# Altium PCB Печатная плата 468353_001.PcbDoc
Units mm, origin at the board's own origin, x right, y up, seen from the top; angles counter-clockwise.
Board outline 60.01 x 45.01 mm, 2 copper layers (Top Layer, Bottom Layer), stack 1.071 mm thick; 42 components, 30 nets, 139 pads, 4 vias.
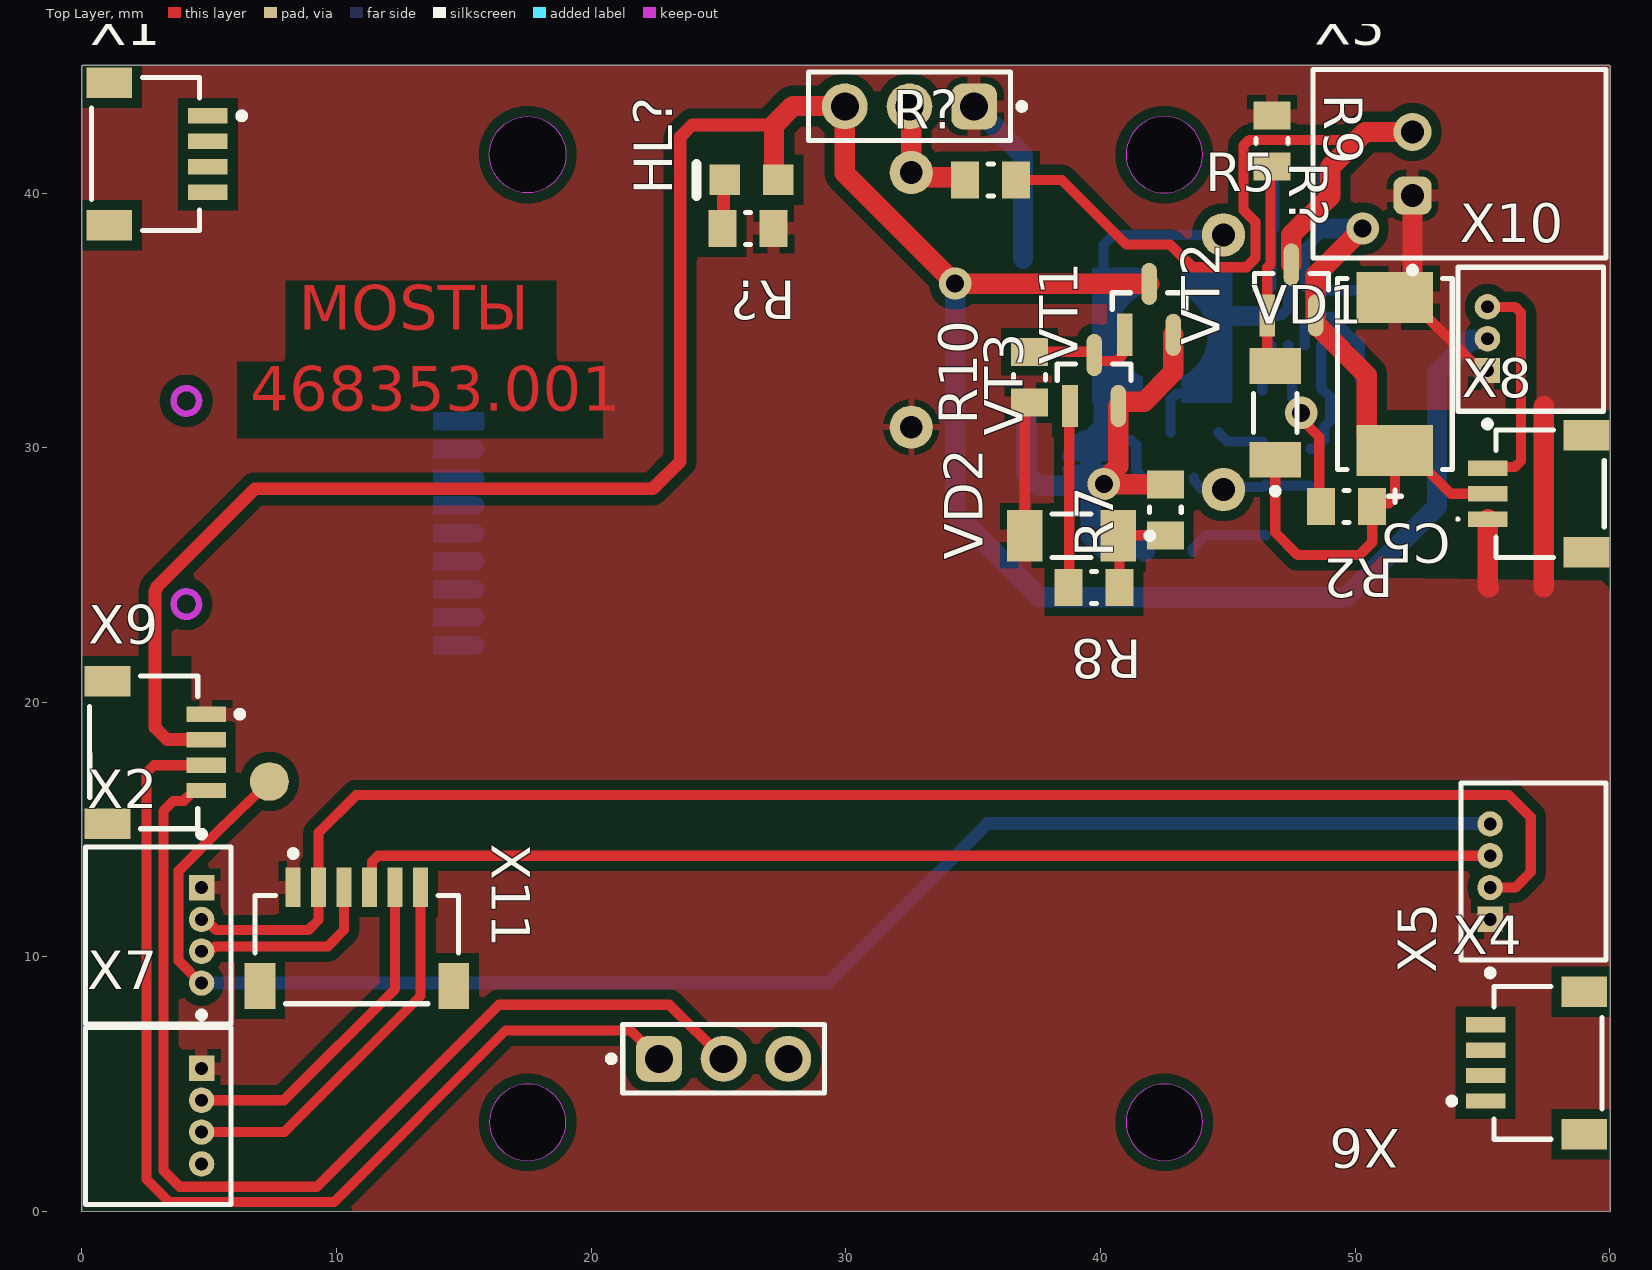
[diagram p0: Top Layer view]
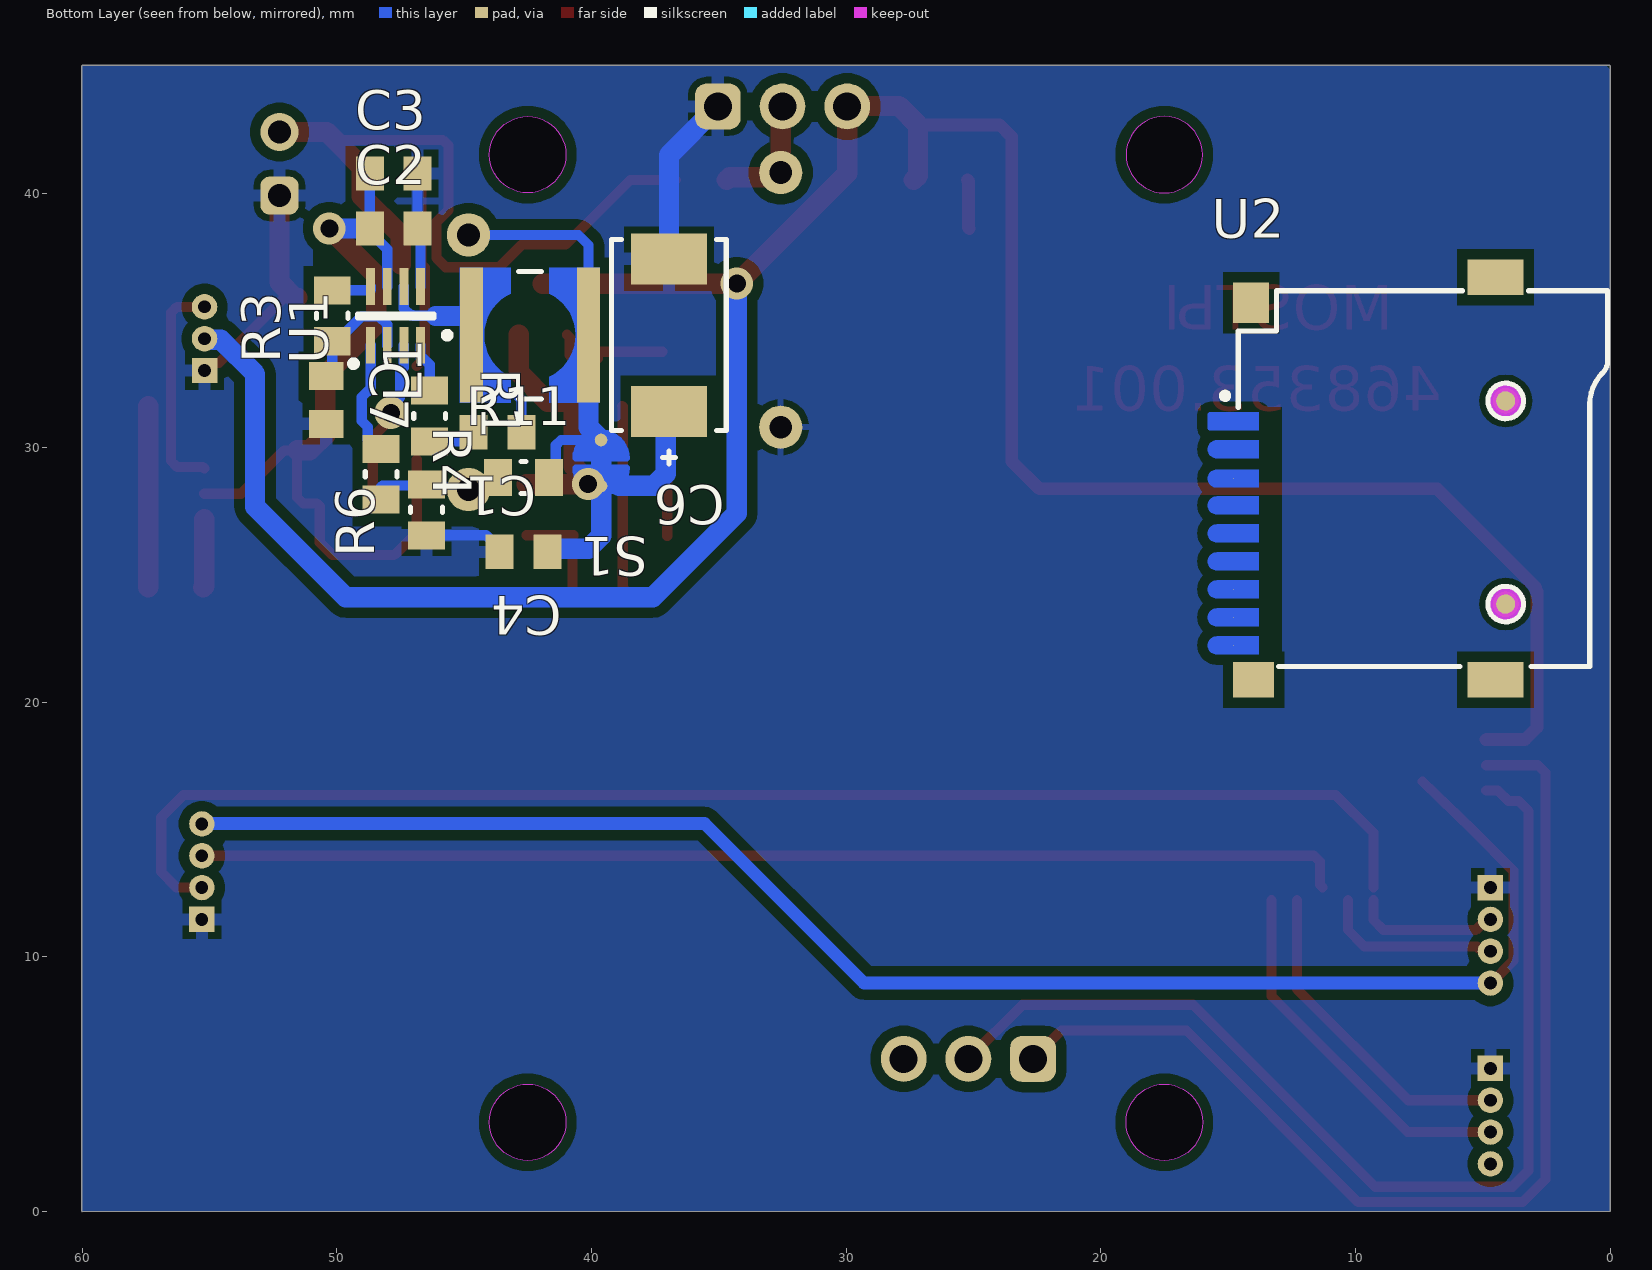
[diagram p1: Bottom Layer view, seen from below]

## Layer stack, top to bottom
Top Layer: signal copper 0.0356
Dielectric 1: dielectric 1, FR-4, Dk 4.8
Bottom Layer: signal copper 0.0356

## Board outline
0,0.006 0,45.006 0.006,45.013 60.006,45.013 60.013,45.006 60.013,0.006 60.006,0
cut-out: 17.506,40.006 cw(c17.506,41.506) 16.006,41.506 cw(c17.506,41.506) 17.506,43.006 cw(c17.506,41.506) 19.006,41.506 cw(c17.506,41.506)
cut-out: 41.006,41.506 ccw(c42.506,41.506) 42.506,40.006 ccw(c42.506,41.506) 44.006,41.506 ccw(c42.506,41.506) 42.506,43.006 ccw(c42.506,41.506)
cut-out: 41.006,3.506 ccw(c42.506,3.506) 42.506,2.006 ccw(c42.506,3.506) 44.006,3.506 ccw(c42.506,3.506) 42.506,5.006 ccw(c42.506,3.506)
cut-out: 16.006,3.506 ccw(c17.506,3.506) 17.506,2.006 ccw(c17.506,3.506) 19.006,3.506 ccw(c17.506,3.506) 17.506,5.006 ccw(c17.506,3.506)

## Design rules (kind name [scope] priority, off if disabled: settings)
Clearance [All] p1: gap=0.2 ignorepadtopadclearanceinfootprint=FALSE except(0.4: Arc-Fill Arc-Poly Arc-Region Track-Fill Track-Poly Track-Region SMDPad-Fill SMDPad-Poly SMDPad-Region THPad-Fill THPad-Poly THPad-Region Via-Fill Via-Poly Via-Region Fill-Fill Fill-Poly Fill-Region Poly-Poly Poly-Region Region-Region; 0.5: Fill-Text Poly-Text Region-Text)
PolygonConnect [All] p1: connectstyle=Relief reliefconductorwidth=0.5 reliefentries=4 polygonreliefangle="90 Angle" airgapwidth=0.254
RoutingVias [All] p1: holewidth=0.711 width=1.27 viastyle="Through Hole" minholewidth=0.711 minwidth=1.27 maxholewidth=0.711 maxwidth=1.27
SolderMaskExpansion [All] p1: expansion=0.102 istentingtop=FALSE
SupplyNets "Schematic Supply Nets_4" [InNet('GND')] p1: voltage=0.000
SupplyNets "Schematic Supply Nets_3" [InNet('VCC')] p2: voltage=0.000
SupplyNets "Schematic Supply Nets_2" [InNet('VIN')] p3: voltage=0.000
SupplyNets "Schematic Supply Nets_1" [InNet('+5 raw')] p4: voltage=0.000
SupplyNets "Schematic Supply Nets" [InNet('+5')] p5: voltage=0.000
Width [All] p1: maxlimit=1.5 minlimit=0.2 preferedwidth=0.4 minimp=50.000000 maximp=50.000000 favimp=50.000000
30 further rules are at their usual default settings.

## Classes and differential pairs
component class Reversevoltage: R9 VD1 VT2
component class Overvoltage: R7 R8 R10 VD2 VT1 VT3
component class DCDC: C1 C2 C3 C4 C5 C6 C7 L1 R1 R2 R3 R4 R5 R6 R11 U1

## Components (designator, comment, footprint, x,y, rotation, side; value= is the part's Value field where it differs from the comment)
C1 "10nF" CAPC2012X10N 43.688,30.607 r0 bottom
C2 "100nF" CAPC2012X10N 47.768,38.608 r180 bottom
C3 "100nF" CAPC2012X10N 47.768,40.767 r180 bottom
C4 "100nF" CAPC2012X10N 42.672,25.908 r0 bottom
C5 "47uF" FP-TPSD-MFG 51.562,32.893 r270 top
C6 "47uF" FP-TPSD-MFG 36.957,34.417 r270 bottom
C7 "100nF" CAPC2012X10N 50.419,31.877 r270 bottom
HL? "?" "LED 0805" 26.289,40.513 r180 top
L1 "10uH" WE-TPC_4828 42.418,34.417 r90 bottom
R1 "20k" RES0805 46.355,31.242 r270 bottom
R2 "500k" RES0805 49.657,27.686 r180 top
R3 "100k" RES0805 50.181,35.179 r90 bottom
R4 "51k" RES0805 48.26,28.956 r270 bottom
R5 "41.2k" МЛТ-0.125 44.831,28.354 r90 top
R6 "7.5k" RES0805 46.482,27.559 r90 bottom
R7 "1k" RES0805 42.545,27.559 r90 top
R8 "1k" RES0805 39.751,24.511 r180 top
R9 "100k" RES0805 46.736,42.037 r270 top
R10 "1k" RES0805 37.211,32.766 r90 top
R11 "41.2k" RES0805 42.672,28.829 r180 bottom
R? "500" RES0805 26.162,38.608 r180 top
R? "?" МЛТ-0.125 32.569,30.804 r90 top
R? "?k" RES0805 35.687,40.513 r0 top
S1 "" "Solder bridge middle" 39.624,29.972 r0 bottom
U1 "MP9943GQ-Z" "MP9943 QFN8" 49.346,33.422 r90 bottom
U2 "SD Card holder" "SD Card holder" 4.102,28.787 r90 bottom
VD1 "BZV55C9V1" FP-DO-213AA-MFG 46.863,31.369 r90 top
VD2 "BZV55C9V1" FP-DO-213AA-MFG 38.862,26.543 r180 top
VT1 "AO3401A" SOT-23 41.91,35.433 r90 top
VT2 "AO3401A" SOT-23 47.498,36.195 r90 top
VT3 "КТ228А9" SOT-23 39.751,32.639 r90 top
X1 "JST-4P" JST-SH04B 3.175,41.529 r270 top
X2 "Левая консоль" FP-53048-0410-MFG 3,12.1 r270 top
X3 "JST-2P" FP-S2B-XH-A-1_LF_SN-MFG 54.102,41.148 r270 top
X4 "JST-4P" JST-SH04B 56.896,5.842 r90 top
X5 "Правая консоль" FP-53048-0410-MFG 57,12.1 r90 top
X6 "466259.004" 466259.004 20.5,46 r270 top locked
X7 "Хвостовое оперение" FP-53048-0410-MFG 3,5 r270 top
X8 "VTX" JST-SM03B-SRSS-TB_V 57.658,28.194 r90 top
X9 "JST-4P" JST-SH04B 3.102,18.034 r270 top
X10 "Камера" FP-53048-0310-MFG 56.896,33.655 r90 top
X11 "JST-6P" JST-SM06B-SRSS-TB_V 10.795,10.287 r0 top

## Footprints (in the part's own frame and the unit in brackets; to place one, negate y for a bottom-side part, rotate by r counter-clockwise, add the part's x,y. Pads: shape width x height; smd on the part's side, far side on the other; paste and mask are expansions set on the pad)
466259.004 [mm] "Полётный контроллер 466259.004"
  rrect50% 1.8x1.8 hole 1.1: 1(2.6,14.54) 4(40,2.16)
  round 1.8 hole 1.1: 2(2.6,12) 3(2.6,9.46) 5(40,4.7) 6(40,7.24)
  silkscreen extent 1.25,0.17 41.34,16.53, body extent 0,0 42,31.51, height 11.25
CAPC2012X10N [mm] "Chip Capacitor, 2-Leads, Body 2,05x1,20mm, IPC Medium Density"
  rect 1.1x1.35 smd: 1(-0.94,0) 2(0.94,0)
  body extent -1.1,-0.65 1.1,0.65, height 1
FP-53048-0310-MFG [mm]
  rect 1x1 hole 0.5 paste-2539.97 mask+0: 1(-0.625,1.7)
  round 1 hole 0.5 paste-2539.97 mask+0: 2(0.625,1.7) 3(1.875,1.7)
  silkscreen extent -2.85,-2.85 3.43,2.85, body extent -2.13,-2.75 3.37,2.75, height 3.5
FP-53048-0410-MFG [mm]
  rect 1x1 hole 0.5 paste-2539.97 mask+0: 1(-0.625,1.7)
  round 1 hole 0.5 paste-2539.97 mask+0: 2(0.625,1.7) 3(1.875,1.7) 4(3.125,1.7)
  silkscreen extent -2.85,-2.85 4.72,2.85, body extent -2.13,-2.76 4.62,2.74, height 3.2
FP-DO-213AA-MFG [mm]
  rect 1.4x2.03 smd paste+0 mask+0: 1(-1.84,0) 2(1.84,0)
  silkscreen extent -3.2,-0.85 0.76,0.85, body extent -2.64,-1.11 2.64,1.11, height 0.25
FP-S2B-XH-A-1_LF_SN-MFG [mm]
  rrect50% 1.5x1.5 hole 0.9 paste-2539.97 mask+0: 1(1.25,-1.85)
  round 1.5 hole 0.9 paste-2539.97 mask+0: 2(-1.25,-1.85)
  silkscreen extent -3.7,-5.75 4.3,5.75, body extent -3.8,-5.85 3.8,5.85, height 0.25
FP-TPSD-MFG [mm]
  rect 2x3 smd paste+0 mask+0: 1(-3,0) 2(3,0)
  silkscreen extent -3.75,-2.25 5.05,2.25, body extent -4.1,-2.35 4.1,2.35, height 0.25
JST-SH04B [mm]
  rect 0.6x1.55 smd paste+0 mask+0: 1(-1.5,1.775) 2(-0.5,1.775) 3(0.5,1.775) 4(1.5,1.775)
  rect 1.2x1.8 smd: MP1(-2.8,-2.1) MP2(2.794,-2.1)
  silkscreen extent -3,-2.8 3,3.22, body extent -3,-2.98 3,1.97, height 2.96
JST-SM03B-SRSS-TB_V [mm] "SMD, 3-Leads, Body 5x4.25mm, Pitch 1mm"
  rect 0.6x1.55 smd: 1(-1,2.45) 2(0,2.45) 3(1,2.45)
  rect 1.2x1.8 smd: MP1(-2.3,-1.425) MP2(2.3,-1.425)
  silkscreen extent -2.5,-2.12 2.5,3.67, body extent -2.5,-2.12 2.5,2.83, height 3.25
JST-SM06B-SRSS-TB_V [mm] "SMD, 6-Leads, Body 8x4.25mm, Pitch 1mm"
  rect 0.6x1.55 smd: 1(-2.5,2.45) 2(-1.5,2.45) 3(-0.5,2.45) 4(0.5,2.45) 5(1.5,2.45) 6(2.5,2.45)
  rect 1.2x1.8 smd: MP1(-3.8,-1.425) MP2(3.8,-1.425)
  silkscreen extent -4,-2.12 4,3.9, body extent -4,-2.12 4,2.83, height 2.96
"LED 0805" [mm] "SMD, 2-Leads, Body 2x1.25mm, Height 0.8mm"
  rect 1.2x1.2 smd: 1(-1.05,0) 2(1.05,0)
  silkscreen extent 2.15,-0.63 2.15,0.63, body extent -1,-0.63 1,0.63, height 0.8
"MP9943 QFN8" [mm]
  rect 1.45x0.35 smd: 1(0.6,-0.675) 2(0.6,-1.325) 3(0.6,-1.975) 4(0.6,-2.625) 5(2.9,-2.625) 6(2.9,-1.975) 7(2.9,-1.325) 8(2.9,-0.675)
  silkscreen extent -0.25,-3.15 1.83,0.13, body extent 0.2,-3.15 3.3,-0.15, height 1
RES0805 [mm] "Chip Resistor, 2-Leads, Body 2.1x1.35mm, IPC Low Density"
  rect 1.1x1.45 smd: 1(-1,0) 2(1,0)
  silkscreen extent -0.1,-0.63 0.1,0.63, body extent -1.05,-0.68 1.05,0.67, height 0.6
"SD Card holder" [mm] "Micro SD Card, TF Card, Memory Card Connector, 9-Leads, Body 16.44x15.6 mm, 1.4mm Profile SMT, Push-Push (MEM2055/MEM2075)"
  round 1 smd: 0(-4.93,0) 0(3.05,0)
  round 0.025 smd: 1(2.25,10.7) 2(1.15,10.7) 3(0,10.7) 4(-1.05,10.7) 5(-2.15,10.7) 6(-3.25,10.7) 7(-4.35,10.7) 8(-5.45,10.7) 9(-6.55,10.7)
  rect 1.4x2.2 smd: SH(-7.9,0.4) SH(7.9,0.4)
  rect 1.4x1.6 smd: SH(-7.9,9.9)
  rect 1.6x1.4 smd: SH(6.9,10)
  Top Layer circle w0.254: c3.05,0 r0.5
  Top Layer circle w0.254: c-4.93,0 r0.5
  Top Layer pour cut-out: -7.15,9.7 2.794,9.7 2.794,8.8 -7.15,8.8
  Top Layer region: 2.6,9.7 1.9,9.7 1.9,11.613 1.907,11.646 1.926,11.674 1.954,11.693 1.987,11.7 1.987,11.7 2.513,11.7 2.546,11.693 2.574,11.674 2.593,11.646 2.6,11.613 2.6,11.613
  Top Layer region: 1.5,9.7 0.8,9.7 0.8,11.35 0.827,11.484 0.903,11.597 1.016,11.673 1.15,11.7 1.15,11.7 1.284,11.673 1.397,11.597 1.473,11.484 1.5,11.35 1.5,11.35
  Top Layer region: 0.35,9.7 -0.35,9.7 -0.35,11.35 -0.323,11.484 -0.247,11.597 -0.134,11.673 0,11.7 0,11.7 0.134,11.673 0.247,11.597 0.323,11.484 0.35,11.35 0.35,11.35
  Top Layer region: -0.7,9.7 -1.4,9.7 -1.4,11.35 -1.373,11.484 -1.298,11.597 -1.184,11.673 -1.05,11.7 -1.05,11.7 -0.916,11.673 -0.803,11.597 -0.727,11.484 -0.7,11.35 -0.7,11.35
  Top Layer region: -1.8,9.7 -2.5,9.7 -2.5,11.35 -2.473,11.484 -2.398,11.597 -2.284,11.673 -2.15,11.7 -2.15,11.7 -2.016,11.673 -1.903,11.597 -1.827,11.484 -1.8,11.35 -1.8,11.35
  Top Layer region: -2.9,9.7 -3.6,9.7 -3.6,11.35 -3.573,11.484 -3.498,11.597 -3.384,11.673 -3.25,11.7 -3.25,11.7 -3.116,11.673 -3.003,11.597 -2.927,11.484 -2.9,11.35 -2.9,11.35
  Top Layer region: -4,9.7 -4.7,9.7 -4.7,11.35 -4.673,11.484 -4.597,11.597 -4.484,11.673 -4.35,11.7 -4.35,11.7 -4.216,11.673 -4.103,11.597 -4.027,11.484 -4,11.35 -4,11.35
  Top Layer region: -5.1,9.7 -5.8,9.7 -5.8,11.35 -5.773,11.484 -5.697,11.597 -5.584,11.673 -5.45,11.7 -5.45,11.7 -5.316,11.673 -5.203,11.597 -5.127,11.484 -5.1,11.35 -5.1,11.35
  Top Layer region: -6.2,9.7 -6.9,9.7 -6.9,11.35 -6.873,11.484 -6.797,11.597 -6.684,11.673 -6.55,11.7 -6.55,11.7 -6.416,11.673 -6.303,11.597 -6.227,11.484 -6.2,11.35 -6.2,11.35
  Keep-Out Layer circle w0.254: c3.05,0 r0.5
  Keep-Out Layer circle w0.254: c-4.93,0 r0.5
  silkscreen extent -7.37,-4 7.37,11.14, body extent -8,-6.26 8.05,11.27, height 1.9
"Solder bridge middle" [mm]
  round 0.5 smd: 1(0,-0.33) 2(0,1.473)
  Top Layer region: -1,0.381 -0.901,-0.053 -0.623,-0.401 -0.223,-0.594 0.223,-0.594 0.623,-0.401 0.901,-0.053 1,0.381 1,0.381
  Top Layer region: -1,0.762 -0.901,1.196 -0.623,1.544 -0.223,1.737 0.223,1.737 0.623,1.544 0.901,1.196 1,0.762 1,0.762
  Top Layer lines w0.254: -1,0.762 cw(c0,0.762) -0.703,1.473 cw(c0,0.762) 0,1.762 cw(c0,0.762) 1,0.762 0.508,0.762 -1,0.762 ; -1,0.381 ccw(c0,0.381) 1,0.381 -1,0.381
  Top Layer lines w0.8: 0,0.66 0,0.559
SOT-23 [mm]
  rect 1.657x0.612 smd paste+0 mask+0: 1(-1.001,0.95)
  rrect100% 1.657x0.612 smd paste+0 mask+0: 2(-1.001,-0.95) 3(1.001,0)
  silkscreen extent 0,-1.45 0.65,1.45, body extent -2.33,-1.95 2.33,1.95, height 0.25
WE-TPC_4828 [mm] "Power Inductor, SMD, 2-Leads, body 4.8x4.8mm"
  rect 5.3x0.9 smd paste-403.566 mask-403.566: 1(0,2.3) 2(0,-2.3)
  Top Layer region: -2.65,0.75 -1.636,0.75 -1.138,1.394 -0.407,1.753 0.407,1.753 1.138,1.394 1.636,0.75 1.636,0.75 2.65,0.75 2.65,2.75 -2.65,2.75
  Top Layer region: 2.65,-0.75 1.636,-0.75 1.138,-1.394 0.407,-1.753 -0.407,-1.753 -1.138,-1.394 -1.636,-0.75 -1.636,-0.75 -2.65,-0.75 -2.65,-2.75 2.65,-2.75
  silkscreen extent -2.5,-0.45 2.5,3.38, body extent -2.4,-2.4 2.4,2.4, height 2.8
МЛТ-0.125 [mm]
  round 1.7 hole 0.9: 1(0,0) 2(10,0)
  body extent -0.31,-1.02 10.29,0.97, height 2.5

## Part data
C1 C2 C3 C4 C7: library part "Конденсатор керамика", ClassName=DCDC
C5 C6: library part "Конденсатор танталовый", "Capacitor Polarised", Arrow Part Number=293D475X9010A2TE3, Manufacturer_Name=Vishay, Mouser Part Number=74-293D475X9010A2TE3, Arrow Price/Stock=https://www.arrow.com/en/products/293d475x9010a2te3/vishay, ClassName=DCDC, Datasheet Link=http://www.vishay.com/docs/40002/293d.pdf, Height=1.8mm, Manufacturer_Part_Number=293D475X9010A2TE3, Mouser Price/Stock=https://www.mouser.co.uk/ProductDetail/Vishay-Sprague/293D475X9010A2TE3?qs=zj6zwI%252Bv92RDYyeabgx%252B6w%3D%3D
HL?: library part Светодиод
L1: library part Дроссель, Ambient Temperature Range High=95°C, Ambient Temperature Range Low=-40°C, Case Code (Imperial)=1919, Case Code (Metric)=4848, Current Rating=420mA, DC Resistance (DCR)=770mΩ, Inductance=150µH, Inductance Tolerance=30%, Max Operating Temperature=125°C, Saturation Current=220mA, Self Resonant Frequency=7MHz, Test Frequency=100kHz, Case/Package=1919, ClassName=DCDC, Composition=Wirewound, Core Material=Ferrite, Height=2.8mm, Height - Seated (Max)=2.9972mm, Length=4.8mm, Max DC Current=420mA, Min Operating Temperature=-40°C, Mount="Surface Mount", NexarPartId=22866852, Number of Pins=2, Packaging="Tape & Reel (TR)", REACH SVHC=Unknown, RMS Current (Irms)=420mA, RoHS=Compliant, Shielding=Shielded, Termination=SMD/SMT, Tolerance=30%, Width=4.8mm
R1 R2 R3 R4 R6 R7 R8 R9 R10 R11 R? R?: library part "Резистор SMD", "SMD resistors with differents footprints"
  R1 R2 R3 R4 R6 R11: ClassName=DCDC
  R7 R8 R10: ClassName=Overvoltage
  R9: ClassName=Reversevoltage
R5 R?: library part МЛТ-0.125
  R5: ClassName=DCDC
S1: library part "Запаиваемая перемычка", "Нормально замкнута"
U1: "High Efficiency 3A Peak, 36V, / Synchronous Step Down Converter / With Power Good", ClassName=DCDC
VD1 VD2: library part Стабилитрон
  VD1: ClassName=Reversevoltage
  VD2: ClassName=Overvoltage
VT1 VT2: library part P-MOS, "P-Channel MOSFET", Continuous Drain Current=4A, Drain-Source On-Volt=30V, Frequency (Max)=NotRequiredMHz, Gate-Source Voltage (Max)=?12V, Manufacturer="Alpha and Omega", Operating Temp Range=-55Cto150C, Operating Temperature Classification=Military, Output Power (Max)=NotRequiredW, Package Description="3-Pin Small Outline Transistor, Body 2.95 x 1.6 mm, Pitch 0.95 mm", Package Reference=SOT-23-3L, Package Type=SOT-23, Power Dissipation=1.4W, Power Gain=NotRequireddB, Channel Mode=Enhancement, Datasheet URL=http://www.aosmd.com/res/data_sheets/AO3401A.pdf, Datasheet Version="Rev. 3, 03/2011", Drain Current (Max)=4A, Drain Efficiency=NotRequired%, Drain-Source On-Res=0.044ohm, Manufacturer URL=http://www.aosmd.com/, Mounting=SurfaceMount, Mounting Technology=SurfaceMount, Noise Figure=NotRequireddB, Number of  Elements=1, Package URL=http://www.aosmd.com/res/packaging_information/SOT-23-3L.pdf, Pin Count=3, Polarity=P, Rad Hardened=No, Type=PowerMOSFET
  VT1: ClassName=Overvoltage
  VT2: ClassName=Reversevoltage
VT3: library part "PNP транзистор", "PNP TRANSISTOR", Case/Package=TO-236-3, Collector Emitter Breakdown Voltage=25V, Collector Emitter Voltage (VCEO)=400mV, Max Collector Current=1.5A, Max Power Dissipation=300mW, Transition Frequency=100MHz, ClassName=Overvoltage, Max Breakdown Voltage=25V, Mount="Surface Mount", Packaging="Tape and Reel", RoHS Compliant=Yes
X1 X3 X4 X9 X11: "JST type connector", Net1=GND
  X3: Net2=VCC
  X9: Net2=+5V, Net3=SDA, Net4=SCL
  X11: Net2=OUT1, Net3=OUT2, Net4=OUT3, Net5=OUT4, Net6=OUT5
X2 X5 X7: library part JST-4P, "JST type connector", Net1=GND
X8 X10: library part JST-3P, "JST type connector", Net1=GND
  X8: Net2=Vcc, Net3="AV OUT"
  X10: Net2=+5V, Net3="AV IN"

## Free pads (board coordinates)
  round 1.524 smd: 3(7.366,16.891)

## Via types
v1: diameter 1.27, hole 0.711, Top Layer to Bottom Layer, 4 vias

## Nets (pads, with @x,y where several pads share a name; then routed paths per layer and width w, separated by ;. In a path a pad name is that pad's centre, name@x,y a point inside that pad or via, vN(x,y) a via of type N, cw(c..) or ccw(c..) an arc to the next point about the centre after c; other vN are vias at no path point)
+5: HL?.1 VT1.3 X6.3 X9.2 X10.2 | length 107.2
  Top Layer w0.5: X9.2 4.869,18.542 3.343,18.542 2.875,19.011 2.875,24.365 2.921,24.412 2.921,24.511 6.794,28.384 22.415,28.384 23.495,29.464 23.495,42.203 23.964,42.672 27.178,42.672
  Top Layer w0.8: HL?.1 27.178,40.674 27.178,42.672 27.923,43.417 29.943,43.417 X6.3 29.96,40.779 34.298,36.441 41.902,36.441 VT1.3
  Bottom Layer w0.8: v1(34.29,36.449) 34.29,27.432 37.592,24.13 49.657,24.13 53.213,27.686 53.213,32.896 54.559,34.242 55.158,34.242 X10.2
"+5 raw": C4.1 C6.2 R7.2 S1.2 VT1.2 VT3.2 | length 18.8
  Top Layer w0.8: R7.2 42.537,28.567 40.14,28.567 v1(40.132,28.575) 40.132,28.702 40.701,29.271 VT3.2 40.795,31.732 40.795,31.809 41.715,31.809 42.86,32.954 VT1.2
  Bottom Layer w0.8: C6.2 37.084,31.29 37.084,28.967 37.553,28.499 38.921,28.499 ; S1.2 39.624,28.21 39.624,26.543 40.132,26.035 41.605,26.035 C4.1
"AV 2": X7.4
GND: C2.2 C3.2 C4.2 C5.1 C6.1 C7.2 R6.1 R9.1 R10.1 R?.1@27.162,38.608 R?.1@32.569,30.804 U1.5 VD2.2 X2.1 X3.1 X5.1 X6.1 X7.1 X8.1 X9.1 X10.1 X11.1 | length 38.3
  Top Layer w0.4: VD2.2 37.022,31.577 R10.1 ; C5.1@52.062,35.893 54.625,33.33 54.896,33.33 X10.1
  Top Layer w0.8: C5.1 51.652,35.893 52.252,36.493 X3.1 ; X8.1 55.208,24.548 55.245,24.511 ; 57.404,24.511 57.404,31.623
  Bottom Layer w0.4: C4.2 43.612,26.033 44.138,26.559 R6.1 ; U1.5 46.721,38.501 C2.2 C3.2
  Bottom Layer w0.8: X6.1 36.957,41.483 C6.1
Motor: X2.2 X5.2 X11.2 | length 60.4
  Top Layer w0.4: X2.2 4.862,11.475 5.283,11.054 8.895,11.054 9.295,11.454 X11.2@9.295,12.229 ; X11.2 9.295,14.883 10.768,16.356 56.034,16.356 56.896,15.494 56.896,13.335 56.286,12.725 X5.2
NeoPix: pad.3 X2.4 X5.4 | length 63
  Top Layer w0.4: X2.4 4.677,8.975 3.8,9.852 3.8,13.391 5.395,14.986 pad.3
  Bottom Layer w0.5: X2.4 29.295,8.975 35.56,15.24 55.285,15.24 X5.4
NetC1_1: C1.1 L1.1 U1.6 | length 9.8
  Bottom Layer w0.4: C1.1 42.748,31.882 42.983,32.116 44.468,32.116 44.718,32.366 L1.1 ; 46.122,35.179 46.99,35.179 47.008,35.197 47.1,35.197 47.371,35.468 U1.6
  Bottom Layer w0.8: L1.1 44.718,35.122 44.768,35.172 46.122,35.172
NetC1_2: C1.2 R1.2 | length 1.9
  Bottom Layer w0.4: C1.2 44.628,30.592 44.978,30.242 R1.2
NetC7_1: C7.1 R3.1 U1.2 | length 5
  Bottom Layer w0.4: U1.2 48.021,34.838 48.33,35.147 49.038,35.147 50.006,34.179 R3.1 50.181,32.706 C7.1@50.165,32.69
NetHL?_2: HL?.2 R?.2@25.162,38.608 | length 1.9
  Top Layer w0.5: R?.2@25.162,38.608 25.201,38.647 25.201,40.475 HL?.2
NetL1_2: L1.2 R5.2 R11.2 S1.1 | length 16
  Bottom Layer w0.4: S1.1 41.199,30.302 41.402,30.099 41.402,29.099 R11.2 ; L1.2 40.118,37.959 40.513,38.354 R5.2
  Bottom Layer w0.8: S1.1 40.118,30.796 L1.2
NetR1_1: R1.1 U1.4 | length 2
  Bottom Layer w0.4: R1.1 46.355,33.263 46.589,33.497 46.696,33.497 46.721,33.522 U1.4
NetR2_2: R2.2 U1.3 | length 6.9
  Top Layer w0.4: v1(47.879,31.369) 47.879,31.134 48.594,30.419 48.594,27.749 R2.2
  Bottom Layer w0.4: U1.3 47.371,33.147 47.515,33.003 47.515,31.969 47.879,31.604 v1(47.879,31.369)
NetR3_2: R3.2 U1.8 | length 1.6
  Bottom Layer w0.4: U1.8 48.671,36.204 48.696,36.179 R3.2
NetR4_1: R4.1 U1.1 | length 4.6
  Bottom Layer w0.4: R4.1 48.435,29.956 48.785,30.306 48.785,30.811 49.022,31.048 49.022,31.989 48.671,32.34 U1.1
NetR4_2: R4.2 R5.1 R6.2 R11.1 | length 5
  Bottom Layer w0.4: R11.1 43.672,28.704 44.022,28.354 R5.1 44.933,28.456 46.379,28.456 R6.2 46.53,28.511 48.212,28.511 R4.2@48.26,28.464
NetR7_1: R7.1 R8.1 VD2.1 | length 3.9
  Top Layer w0.4: R8.1 40.751,26.494 VD2.1 40.718,26.559 R7.1
NetR8_2: R8.2 VT3.1 | length 7.1
  Top Layer w0.4: R8.2 38.776,24.536 38.776,31.613 VT3.1
NetR9_2: R9.2 VD1.2 VT2.1 | length 8
  Top Layer w0.4: R9.2 46.681,40.982 46.681,37.196 46.548,37.063 VT2.1 46.548,33.524 VD1.2
NetR10_2: R10.2 VT1.1 VT3.3 | length 4.8
  Top Layer w0.4: R10.2 39.653,33.766 39.751,33.668 VT3.3 39.751,33.499 39.849,33.401 40.62,33.401 40.854,33.635 40.854,34.326 VT1.1
NetX8_3: X8.3 X10.3 | length 8.7
  Top Layer w0.4: X10.3 56.281,35.53 56.515,35.296 56.515,29.479 56.281,29.245 55.259,29.245 X8.3
SCL: X6.5 X9.4 | length 42.2
  Top Layer w0.4: X9.4 4.402,16.534 3.998,16.13 3.596,16.13 3.2,15.734 3.2,1.626 3.845,0.981 4.321,0.981 4.327,0.975 5.073,0.975 5.079,0.981 9.236,0.981 16.383,8.128 23.072,8.128 X6.5
SDA: X6.4 X9.3 | length 42.2
  Top Layer w0.4: X9.3 4.869,17.526 2.833,17.526 2.54,17.233 2.54,1.27 3.429,0.381 4.073,0.381 4.079,0.375 5.321,0.375 5.327,0.381 9.906,0.381 16.637,7.112 21.548,7.112 X6.4
ServoH: X7.2 X11.5 | length 12.9
  Top Layer w0.4: X7.2 7.931,4.375 12.295,8.739 X11.5@12.295,12.229
ServoL: X2.3 X11.3 | length 7.1
  Top Layer w0.4: X2.3 4.815,10.34 5.16,10.34 5.234,10.414 9.652,10.414 10.295,11.057 X11.3@10.295,12.229
ServoR: X5.3 X11.4 | length 45
  Top Layer w0.4: X11.4 11.395,12.837 11.395,13.741 11.629,13.975 X5.3
ServoV: X7.3 X11.6 | length 14.6
  Top Layer w0.4: X7.3 7.951,3.125 13.295,8.469 X11.6@13.295,12.229
VCC: R?.2@36.687,40.513 VT2.3 X3.2 | length 28.4
  Top Layer w0.4: R?.2@36.687,40.513 38.481,40.513 41.021,37.973 42.735,37.973 43.624,37.084 45.72,37.084 46.081,37.445 46.081,38.872 45.611,39.342 45.611,41.853 45.845,42.087 50.088,42.087
  Top Layer w0.8: VT2.3 47.498,38.354 49.022,39.878 49.022,41.021 50.088,42.087 50.399,42.398 X3.2
VIN: C2.1 C3.1 C5.2 R2.1 U1.7 VD1.1 VT2.2 X8.2 | length 32.8
  Top Layer w0.4: VD1.1 46.863,26.67 47.752,25.781 50.165,25.781 50.673,26.289 50.673,27.702 50.784,27.813 51.328,27.813 51.562,28.047 C5.2 52.062,29.893 53.761,28.194 X8.2
  Top Layer w0.8: VT2.2 48.448,36.764 v1(50.292,38.608) ; VT2.2@48.542,34.766 50.462,32.846 50.462,30.493 51.062,29.893 C5.2
  Bottom Layer w0.4: U1.7 48.021,37.796 48.708,38.483 C2.1 C3.1
  Bottom Layer w0.8: C2.1 v1(50.292,38.608)
Voltage: R?.1@34.687,40.513 R?.2@32.569,40.804 X6.2 | length 4.9
  Top Layer w0.8: X6.2 32.569,43.331 32.569,40.804 32.639,40.734 32.75,40.624 34.576,40.624 R?.1@34.687,40.513
pads on no net: U2.0 U2.1 U2.2 U2.3 U2.4 U2.5 U2.6 U2.7 U2.8 U2.9 U2.SH X1.1 X1.2 X1.3 X1.4 X1.MP1 X1.MP2 X4.1 X4.2 X4.3 X4.4 X4.MP1 X4.MP2 X6.6 X8.MP1 X8.MP2 X9.MP1 X9.MP2 X11.MP1 X11.MP2

## Polygon pours and split planes (outlines as drawn)
GND on Top Layer "GND_L01_P000" (solid, remove dead copper, pour order 0): 0,0 0.006,0.006 0.006,45.006 60.006,45.006 60.006,0.006
GND on Bottom Layer "GND_L02_P001" (solid, remove dead copper, pour order 1): 0.006,45.006 60.006,45.006 60.006,0.006 0.01,0.006

## Other copper
Top Layer:
  pour cut-out: 0.006,21.834 4.308,21.834 4.318,21.844 4.318,14.468 4.598,14.188 4.379,13.97 0,13.97
  pour cut-out: 51.215,31.494 53.596,31.494 60.006,31.494 60.006,24.573 59.944,24.511 59.69,24.765 51.215,24.892
  text "MOSTЫ" at 8.512,34.036 h3
  text "468353.001" at 6.604,30.861 h3
Bottom Layer:
  pour cut-out: 40.005,38.608 50.927,38.608 50.927,32.004 50.912,31.989 49.022,31.989 49.385,26.924 44.704,26.924 42.96,26.289 39.878,26.289

## Silkscreen, mask and mechanical layers (free items; w line width, h text height)
Mechanical 1:
  circle w0.254: c42.506,3.506 r3
  circle w0.254: c17.506,3.506 r3
  circle w0.254: c17.506,41.506 r3
  circle w0.254: c42.506,41.506 r3
  circle w0.013: c17.506,41.506 r1.5
  circle w0.013: c17.506,3.506 r1.5
  circle w0.013: c42.506,3.506 r1.5
  circle w0.013: c42.506,41.506 r1.5
  circle w0.006: c0.006,0.006 r0.003
  lines w0.013: 0.006,0 0.006,45.006 60.006,45.006 60.006,0.006 0.006,0.006